# KiCad board Control v1.kicad_pcb (continued)
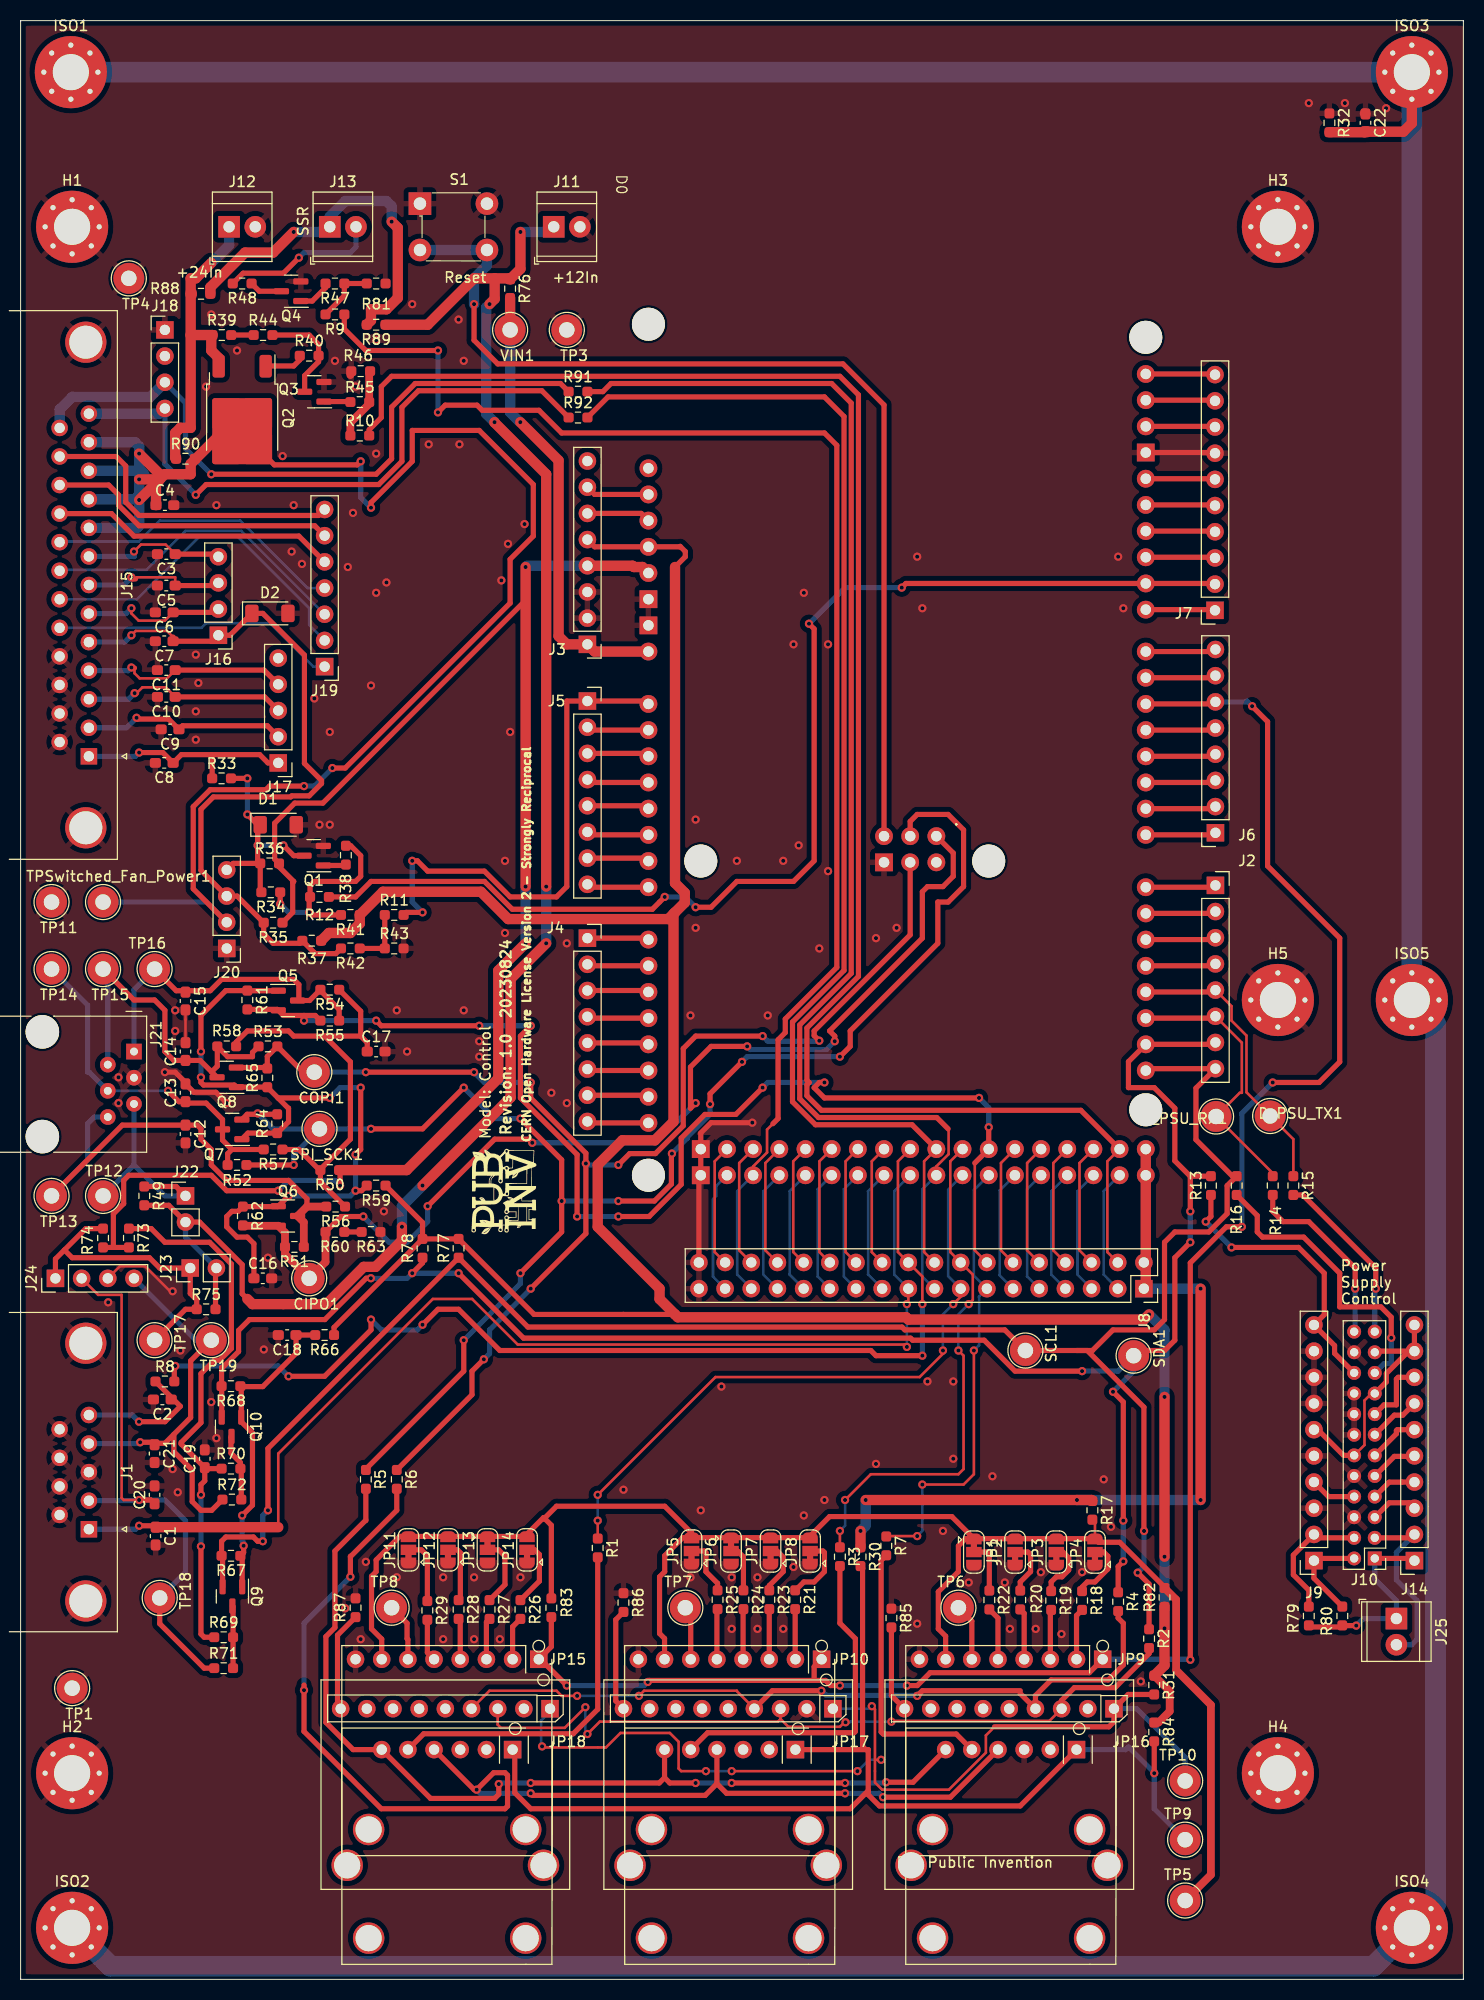
[diagram p0: board, top side]
## Routing (per net, layer and track width the routed paths; a pad name or vN(x,y) marks a point on that pad's centre or on a via; arc(x,y) is an arc through that point) (continued)
/PS_SDA: length 28.1
  Top w0.5: v1(117.5,71) 124,71 126.5,68.5 126.5,64.48 J9.10 127.5,61.48 127.5,60.73 J10.20 ; R13.1 115.5,74 v1(115,73.5)
  Bottom w0.5: v1(115,73.5) v1(117.5,71)
/RX: length 17
  Top w0.5: v1(131.5,67) 131.5,69 124.41,76.09 R15.2
  Bottom w0.5: J10.23 131.4,66.93
/SPI_ControllerLevel_Shifter/C_SCK: length 34.5
  Top w0.5: R52.1 20.09,80.09 20.5,80.5 ; 20.5,80.5 19.59,81.41 Q7.3 19.59,83.41 18,85 16.14,85 C13.1 15.36,85.14 v1(14.31,86.19) ; 20.5,80.5 R57.2
  Bottom w0.25: J21.4 v1(14.31,86.19)
  Bottom w0.5: J21.4 6.65,88 6.5,88 6.5,94.5 TP14.1
/SPI_ControllerLevel_Shifter/CIPO: length 49.9
  Top w0.5: TP13.1 9.86,82.86 C12.1 17.14,82.86 17.5,82.5 17.5,81.5 18.5,80.5 18.5,79 20,77.5 26,77.5 27.78,75.72 27.78,74.96
  Top w0.75: R56.2 27.78,74.96 Q6.3 27.48,73.44 R51.1
  Bottom w0.5: TP13.1 6.5,79.5 6.5,83 7.15,83.65 J21.6
/SPI_ControllerLevel_Shifter/ControllerVcc: length 20.8
  Top w0.5: R49.1 15.09,76.91 J22.1
  Bottom w0.5: J22.1 14,76 11,79 ; 11,79 TP12.1 ; 11,79 J21.5
/SPI_ControllerLevel_Shifter/COPI: length 35
  Top w0.5: R53.1 22.5,89.91 22.5,89.5 20.09,89.5 R58.2 19.09,88.59 18.53,88.03 ; 18.53,88.03 17.42,89.14 C14.1 14.86,89.14 14,90 14,94 13,95 11,95 TP15.1 ; 18.53,88.03 Q8.3
  Bottom w0.5: J21.2 8.46,97.54 TP15.1
/SPI_ControllerLevel_Shifter/nCS: length 32.4
  Top w0.5: R55.1 30.91,94.09 29.09,95.91 R54.2 28.04,94.95 Q5.3 27,95.07 27,96.5 26.5,97 19.5,97 18.4,95.9 15.1,95.9 TP16.1
  Bottom w0.5: TP16.1 11,96 J21.1
/SSR Interface/Heater: length 5.9
  Top w0.5: R9.2 31.41,163.32 R47.1 R81.1
/SSR Interface/Heater_SSR_High: length 36.4
  Top w1: R89.2 34,160.91 34,162 35.5,162 36.6,163.1 36.6,169.9 v1(36,170.5) ; v1(26.5,169.5) 24.5,167.5 21.77,167.5 18.41,164.14 R88.2
  Bottom w1: v1(36,170.5) 36,172 35.5,172.5 31.5,172.5 30,171 J13.1 29.5,169.5 v1(26.5,169.5)
/SSR Interface/Heater_SSR_Low: length 15.4
  Top w0.5: v1(27,167) 25.5,165.5 21.59,165.5 R48.2
  Bottom w0.5: v1(27,167) 27.5,167.5 32,167.5 32.54,168.04 J13.2
/Thermocouple Amplifier I2C breakout board - MCP9600/SCL: length 74.1
  Top w0.25: 73.74,25.26 74.5,24.5 79.5,24.5 80,25 80.05,24.95 v1(80.05,24.94) ; 73.74,25.26 JP20.3 ; 73.74,25.26 73.48,25 56.2,25 v1(55,23.8) ; v1(54.8,26.4) 52.8,24.4 46.6,24.4 46.3,24.71 JP21.3 ; JP19.3 99.83,25.07 84.57,25.07 v1(84.5,25)
  Top w0.5: JP19.3 101.01,27.06 102.25,28.3 106.2,28.3 109.5,31.6 R2.2
  Bottom w0.25: v1(54.8,26.4) 54.8,24 v1(55,23.8) ; v1(84.5,25) 80.5,25 80.44,24.94 v1(80.05,24.94)
/Thermocouple Amplifier I2C breakout board - MCP9600/SDA: length 74.8
  Top w0.25: JP20.4 69.5,27.96 69.5,28 60.5,28 v1(60,27.5) ; v1(54,27.5) 52.5,27.5 52,28 45.5,28 JP21.4
  Top w0.5: 97,27.73 JP19.4 98.47,27.53 100,29.05 105.55,29.05 107,30.5 107,34.55 106.5,35.05 R4.2 ; v1(77.7,28) 72.94,28 JP20.4 ; v1(87,27.5) 87.5,28 97,28
  Bottom w0.25: v1(54,27.5) v1(60,27.5)
  Bottom w0.5: v1(77.7,28) 78.14,27.56 86.94,27.56 v1(87,27.5)
/Thermocouple Amplifier SPI Interface breakout board - MAX31855 /DO: length 120.3
  Top w0.5: 27.5,28.55 27.5,24.05 35,16.55 47,16.55 47.25,16.8 47.25,19.8 47,20.05 45.9,20.05 v1(44.25,18.4) 44.01,18.4 JP18.4 ; v1(80,18.05) 68.5,18.05 67.56,18.99 ; v1(83.69,17.68) 90.23,17.68 JP16.4 ; v1(32,39.05) 32,41.05 ; 67.56,18.99 66.43,17.85 49.7,17.85 v1(49.5,18.05) ; 67.56,18.99 JP17.4 ; R6.2 36.5,45.5 32,41
  Bottom w0.5: v1(32,39.05) 27.5,34.55 v1(27.5,28.05) ; v1(44.25,18.4) 44.6,18.05 v1(49.5,18.05) ; v1(83.69,17.68) 83.31,18.05 v1(80,18.05)
/Thermocouple Amplifier SPI Interface breakout board - MAX31855 /nCS_1: length 26.9
  Top w0.5: R7.2 83.5,40.64 83.5,24 83.7,23.8 90.79,23.8 JP16.5
/Thermocouple Amplifier SPI Interface breakout board - MAX31855 /nCS_2: length 33.4
  Top w0.5: JP17.5 66.66,23.93 80.88,23.93 81,24.05 81,33.05 79.5,34.55 R3.2
/Thermocouple Amplifier SPI Interface breakout board - MAX31855 /nCS_3: length 34.8
  Top w0.5: R1.2 56,26.2 53.62,23.82 39.12,23.82 JP18.5
/Thermocouple Amplifier SPI Interface breakout board - MAX31855 /SCK: length 93.2
  Top w0.5: v1(46.4,18.95) 46.4,17.95 46,17.55 39.78,17.55 JP18.6 32.26,22.29 29.62,24.93 29.62,33.25 30.5,34.13 30.5,41.55 33.5,44.55 ; v1(65.5,19.05) 63,19.05 62.48,19.56 ; 62.48,19.56 61.97,19.05 v1(49.5,19.05) ; 62.48,19.56 JP17.6 ; v1(83.98,19.12) 86.6,19.12 JP16.6 ; v1(80,19.05) v1(69,19.05) ; 33.5,44.5 R5.2
  Bottom w0.5: v1(46.4,18.95) 46.5,19.05 v1(49.5,19.05) ; v1(69,19.05) v1(65.5,19.05) ; v1(83.98,19.12) 83.91,19.05 v1(80,19.05)
/TX: length 18.1
  Top w0.5: v1(129.5,67) 129.5,69 125,73.5 122.5,73.5 121.5,74.5 R14.1
  Bottom w0.5: J10.24 129.5,62.93 v1(129.5,67)
/VCI: length 6.8
  Top w0.5: J14.8 133.67,58.4 133.5,58.23 133.5,55.73 132.3,55.73 J10.15
/VO+: length 9.3
  Top w0.5: J10.2 125.71,40.83 ; J9.1 125.5,38.91 R80.2
/VO-: length 12
  Top w0.5: J10.4 125.83,42.83 ; J9.2 123.5,41.16 123.5,39.25 125,37.75 R79.2
/VS+: length 19.4
  Top w0.5: J14.1 135.04,40.83 J10.1 ; 128.5,34.32 v1(129.6,34.32) ; 125,34.19 128.5,34.19
  Bottom w0.5: J10.1 131.4,38.83 133.5,36.73 J25.1 130.28,35 v1(129.6,34.32)
/VS-: length 17.9
  Top w0.5: J14.2 134.92,42.83 J10.3
  Bottom w0.5: J14.2 133.5,41.41 133.5,38.75 135.5,36.75 135.5,32.98 134.98,32.46 J25.2
/VSET: length 4.5
  Top w0.5: J9.4 126.91,46.83 J10.8
AREF: length 6.7
  Top w0.5: A1.AREF 115.84,150.64 J7.8
BLOWER_ENABLE: length 167.3
  Top w0.25: J8.4 105.45,70.55 105.45,79.35 A1.D22
  Top w0.5: A1.D22 102.88,84.3 77.71,84.3 76.3,85.71 76.3,86.79 76.51,87 76.3,87.21 76.3,92.29 81.3,97.29 81.3,153.7 79.5,155.5 36,155.5 35,154.5 35,151.5 33.83,150.32 R10.2
BLOWER_TACH: length 50.3
  Top w0.5: v1(39,103.5) 37.41,103.5 R11.2 ; A1.A0 60.64,124 J5.1 53,124 53,106 52,105 47.5,105 45,107.5 39.5,107.5 38.5,108.5 v1(38,108.5)
  Bottom w0.5: v1(39,103.5) 38,104.5 v1(38,108.5)
CANR: length 6
  Top w0.5: J4.7 60.78,85.76 A1.CANR
CANT: length 6
  Top w0.5: A1.CANT 55.14,83.08 J4.8
CIPO: length 105.9
  Top w0.5: A1.MISO 90.5,109.25 90.5,107 89.5,106 88,106 87.5,105.5 87.5,101 78.5,92 79,91.5 v1(79,91) ; R60.2 31.09,74 v1(33.25,74) ; v1(70.5,90.5) 67,90.5 65,88.5 65,84.5 v1(65.5,85) ; v1(39.5,75) 46,81.5 49.3,81.5 v1(49.65,81.15)
  Top w0.75: R60.2 29.59,69.59 CIPO1.1 25.66,70.34 R51.2 25.66,72.44 Q6.2 21.6,73.1 R62.2
  Bottom w0.5: v1(49.65,81.15) 61.65,81.15 v1(65.5,85) ; v1(39.5,75) 39.5,73.5 37.5,71.5 35.75,71.5 v1(33.25,74) ; v1(70.5,90.5) 70.8,90.2 78.2,90.2 v1(79,91)
COPI: length 132.9
  Top w0.5: v1(44.95,60.15) 43.8,59 43.8,56.71 R6.1 ; v1(49.5,67) 54.85,72.35 v1(54.85,79.14) 54.85,80.14 49.5,85.49 v1(49.5,87) ; v1(58,79) 59.1,80.1 61.6,80.1 64.3,82.8 64.3,90.29 65.51,91.5 v1(72,91.5) ; COPI1.1 27.41,88 R53.2 23.94,89.53 R65.2 23.85,88.45 Q8.2 ; v1(44,88) v1(33.5,88) ; 86.32,108.35 86.32,101.32 77,92 77,91.55 v1(77.5,91.05)
  Bottom w0.5: v1(49.5,87) 45,87 v1(44,88) ; v1(44.95,60.15) 45.5,60.7 45.5,63 v1(49.5,67) ; v1(77.5,91.05) 77.45,91 72.5,91 v1(72,91.5) ; v1(58,79) 54.99,79 v1(54.85,79.14) ; v1(33.5,88) COPI1.1
D0: length 6.8
  Top w0.5: A1.D0 115.74,111.02 J6.1
D1: length 6.8
  Top w0.5: J6.2 115.74,113.56 A1.D1
D23: length 12.2
  Bottom w0.25: J8.3 105.09,68.37 105.09,76.46 A1.D23
D25: length 12.2
  Bottom w0.25: A1.D25 102.56,76.46 102.56,68.37 J8.5
D27: length 12.2
  Bottom w0.25: A1.D27 100.01,76.46 100.01,68.37 J8.7
D29: length 12
  Bottom w0.25: J8.9 97.66,68.18 97.66,76.65 A1.D29
D31: length 12.2
  Bottom w0.25: A1.D31 95,76.52 95,68.3 J8.11
D32: length 118.5
  Top w0.25: 92.59,79.19 92.59,70.71 J8.14
  Top w0.5: v1(49.5,92.5) 48.5,91.5 48.5,85.5 54,80 v1(54,74) ; 27.5,93.5 28.59,93.5 R55.2 ; 27.5,93.5 25.5,93.5 Q5.2 24.91,94.09 R61.2 ; 27.5,93.5 v1(27.5,93) ; v1(93,85.5) 78,85.5 77,86.5 77.5,87 v1(78,87) ; 92.59,79.19 A1.D32 v1(93.94,82.66) ; v1(34.5,93) 35,92.5 v1(44.5,92.5) ; v1(72,86.5) 69.4,83.9 66.4,83.9 64.1,81.6 64.1,77.11 60.99,74 v1(58,74)
  Bottom w0.5: v1(49.5,92.5) v1(44.5,92.5) ; v1(34.5,93) v1(27.5,93) ; v1(93.94,82.66) 93.94,84.56 v1(93,85.5) ; v1(72,86.5) 72.5,87 v1(78,87) ; v1(58,74) v1(54,74)
D37: length 128.9
  Top w0.25: A1.D37 88.86,78.86 90.05,80.05 90.05,82.45 90,82.5
  Top w0.5: R91.2 56.5,154.01 57.29,154.8 78.7,154.8 80.6,152.9 80.6,97.58 75.6,92.58 75.6,85.42 77.42,83.6 88.9,83.6 90,82.5
  Bottom w0.25: J8.17 87.5,68.18 87.5,76.64 A1.D37
D38: length 101.9
  Top w0.25: A1.D38 85.13,79.35 85.13,70.55 J8.20 87.5,68.18 v1(87.5,65.5)
  Top w0.5: v1(34,64) 34,63 29.5,58.5 v1(26,58.5) ; v1(15,59.5) 14.91,59.41 R8.2 ; v1(87.5,60.5) 83,60.5 82.5,61 46.5,61 42.5,65 40.5,65 v1(39,63.5)
  Bottom w0.5: v1(15,59.5) 25,59.5 v1(26,58.5) ; v1(39,63.5) 38.5,63 35,63 v1(34,64) ; v1(87.5,60.5) v1(87.5,65.5)
D39: length 112.8
  Top w0.25: v1(86,61.35) 85.78,61.57 48.24,61.57 43.81,66 40,66 25,51 25,43.86 ; v1(86,65.5) 86.14,65.64 J8.19
  Top w0.5: v1(11.5,44) 12.96,44 C1.1
  Top w1: C1.1 25,43.86
  Bottom w0.25: v1(86,65.5) v1(86,61.35) ; J8.19 84.78,68.37 84.78,76.46 A1.D39
  Bottom w0.5: J1.1 11.17,43.67 v1(11.5,44)
D40: length 11.9
  Top w0.25: J8.22 82.59,70.55 82.59,79.35 A1.D40
D41: length 12.2
  Bottom w0.25: J8.21 82.24,68.37 82.24,76.46 A1.D41
D42: length 11.9
  Top w0.25: A1.D42 80.05,79.35 80.05,70.55 J8.24
D43: length 12
  Bottom w0.25: J8.23 79.88,68.18 79.88,76.65 A1.D43
D44: length 11.9
  Top w0.25: J8.26 77.51,70.55 77.51,79.35 A1.D44
D45: length 12
  Bottom w0.25: A1.D45 77.34,76.65 77.34,68.18 J8.25
D46: length 11.9
  Top w0.25: A1.D46 74.97,79.35 74.97,70.55 J8.28
D47: length 12.2
  Bottom w0.25: A1.D47 74.61,76.46 74.61,68.37 J8.27
D48: length 12
  Top w0.25: J8.30 72.27,70.71 72.27,79.19 A1.D48
D49: length 12.2
  Bottom w0.25: A1.D49 72.08,76.46 72.08,68.37 J8.29
D50: length 12
  Top w0.25: J8.32 69.73,70.71 69.73,79.19 A1.D50
D51: length 144.3
  Top w0.25: 73,83 72.43,82.43 72.43,80.21 71.08,78.86 A1.D51
  Top w0.5: v1(40.5,152) 41.2,152.7 44.29,152.7 44.79,152.2 50.3,152.2 52.5,150 78,150 79.2,148.8 79.2,98.16 74.2,93.16 74.2,91.84 73.5,91.14 73.5,83.5 73,83 ; v1(40.5,158) 33.5,158 31.41,160.09 R9.1
  Bottom w0.25: A1.D51 69.53,76.46 69.53,68.37 J8.31
  Bottom w0.5: v1(40.5,152) v1(40.5,158)
D52: length 11.9
  Top w0.25: A1.D52 67.35,79.35 67.35,70.55 J8.34
D53: length 12
  Bottom w0.25: A1.D53 67.5,76.96 67.5,76 67.19,75.69 67.19,68.18 J8.33
DAC0: length 6
  Top w0.5: A1.DAC0 60.78,90.84 J4.5
DAC1: length 6
  Top w0.5: A1.DAC1 55.14,88.16 J4.6
LOOPBACK13: length 122.8
  Top w0.25: J8.18 87.67,70.55 87.67,79.35 A1.D36
  Top w0.5: R92.2 57,153.5 78,153.5 79.9,151.6 79.9,97.87 74.9,92.87 74.9,85.13 77.13,82.9 86.5,82.9 A1.D36
nFAN1_PWM: length 115.9
  Top w0.5: v1(62.5,105) 61.3,103.8 47.71,103.8 45.01,106.5 34,106.5 32.5,105 R12.2 ; v1(65.5,104) 67,104 69.5,106.5 75,106.5 77,108.5 77,131 v1(76.5,131.5) ; J7.2 115.84,135.4 A1.D9 85.9,135.4 v1(85.5,135)
  Bottom w0.5: v1(62.5,105) 64.5,105 v1(65.5,104) ; v1(85.5,135) 80,135 v1(76.5,131.5)
ONE_WIRE_TC: length 188.9
  Top w0.5: v1(121.5,87) 126,87 128,89 128,101 121,108 121,122 v1(119.5,123.5) ; 77,29 78.1,29 78.6,28.5 v1(79.5,28.5) ; 77,29 77,30.32 JP10.1 ; 77,29 61.01,29 v1(60.86,28.85) ; v1(53,28.5) 50.45,31.05 JP15.1 51.5,32.27 R83.1 ; v1(118.5,73) 117,73 113.5,69.5 v1(113.5,31) ; JP9.1 103.7,29.75 88.26,29.75 87.01,28.5 v1(86,28.5) ; J6.6 115.74,123.72 A1.D5
  Bottom w0.5: v1(53,28.5) 60.51,28.5 v1(60.86,28.85) ; v1(119.5,123.5) 119,124 118.92,123.92 J6.6 ; JP9.1 113.45,31.05 v1(113.5,31) ; v1(79.5,28.5) v1(86,28.5) ; v1(118.5,73) 118.5,84 v1(121.5,87)
SCL: length 187.2
  Top w0.5: Q9.2 19.6,40.99 ; v1(109.01,43.49) 109,43.51 109,55.5 103.5,61 102.5,61 ; A1.D21 109.36,88.34 J2.8 114.05,86.45 114.05,81.45 117.59,77.91 R16.1 117.07,76.99 117.07,74.28 115.3,72.5 112,72.5 111,71.5 111,64 110,63 106,63 104,61 102.5,61 ; v1(108.4,39.45) 109.5,38.35 R2.1 ; R67.2 19.5,42.5 19.91,42.91 22.59,42.91 23,42.5 v1(23.5,42.5) ; 102.5,61 SCL1.1 95.5,63 85.8,63 85.53,63.27 49.22,63.28 R77.1 24,51.5 v1(24,45.5)
  Bottom w0.5: v1(24,45.5) 23.5,45 v1(23.5,42.5) ; v1(108.4,39.45) 109.01,40.06 v1(109.01,43.49)
SCL1: length 6.7
  Top w0.25: 115.84,155.72 J7.10
  Top w0.5: A1.SCL1 115.84,155.72
SDA: length 176.6
  Top w0.5: R4.1 106.5,40.05 v1(107,40.55) ; 113.5,77.91 R13.2 ; 113.5,77.91 v1(113.5,74.5) ; 113.5,77.91 113.49,77.91 112,79.4 112,84.5 110,86.5 107.5,86.5 107.5,89.02 A1.D20 115.76,90.7 J2.7 ; v1(38,68.5) 39,69.5 R78.1 ; v1(33.99,68.01) 33.53,68.01 29.52,64 22.2,64 21.15,62.95 21.15,60.9 19.6,59.35 19.5,59.35 R68.2 ; v1(106,57) 107,56 v1(107,44.5) ; SDA1.1 108.5,61 111,61 112,62 112,70 v1(113.5,71.5) ; v1(103,59) 96.5,59 93.5,62 86.55,62 86.35,62.2 48.8,62.2 v1(42.5,68.5) ; Q10.2 19.51,57.53
  Bottom w0.5: v1(106,57) 108,59 SDA1.1 106.5,59 v1(103,59) ; v1(33.99,68.01) 34,68 37.5,68 v1(38,68.5) v1(42.5,68.5) ; v1(107,40.55) v1(107,44.5) ; v1(113.5,71.5) v1(113.5,74.5)
SDA1: length 6.7
  Top w0.5: A1.SDA1 115.84,153.18 J7.9
SPI_nRST: length 100
  Top w0.5: v1(44,162.5) 44,159 46.3,156.7 79.8,156.7 83.78,152.72 A1.RST2
  Bottom w1: S1.3 S1.4 45.25,166.25 44,165 v1(44,162.5)
SPI_SCK: length 156.3
  Top w0.5: 63.15,80.2 63.15,77.15 61.5,75.5 v1(58,75.5) ; v1(70,89) 66.9,85.9 v1(66.9,84.9) ; R5.1 33.5,49.5 43,59 v1(43,62) ; v1(43,86.5) 39,82.5 v1(34,82.5) ; v1(48.5,83.5) 52.5,79.5 v1(52.5,75.5) 52.5,72.5 v1(48.5,68.5) ; v1(79.5,89.5) 80.5,90.5 80.5,92 89,100.5 89,104.5 90,104.5 91.5,106 91.5,111.5 90,113 87,113 86.32,112.32 A1.SCK ; R52.2 v1(26.5,79) ; R64.2 21.98,83.91 Q7.2
  Bottom w0.5: v1(70,89) 70.5,89.5 v1(79.5,89.5) ; SPI_SCK1.1 24.5,82.5 v1(23,84) ; SPI_SCK1.1 v1(34,82.5) ; SPI_SCK1.1 26.5,80 v1(26.5,79) ; v1(58,75.5) v1(52.5,75.5) ; 63.15,80.2 63.3,80.2 64.7,81.6 64.7,81.7 66.9,83.9 v1(66.9,84.9) ; v1(43,62) 48.5,67.5 v1(48.5,68.5) ; v1(43,86.5) 46,83.5 v1(48.5,83.5)
  vias: v1(63.2,80.1)
TC_nCS1: length 44.3
  Top w0.25: v1(92.5,61) 92.5,49 91.5,48 v1(87.5,48) ; v1(87,43) 84.04,43 R7.1
  Bottom w0.25: v1(92.5,61) 93,61.5 93,66.24 J8.13 92.5,68.26 92.5,76.56 A1.D33 ; v1(87,43) 87.5,43.5 v1(87.5,48)
TC_nCS2: length 50.8
  Top w0.25: v1(91,61) 91.5,60.5 91.5,49.5 91,49 82.5,49 v1(80,46.5) ; v1(92,65.5) 92.4,65.9 92.4,68.37 J8.16 90.21,70.55 90.21,79.35 A1.D34 ; R3.1 v1(79.5,43.5)
  Bottom w0.25: v1(92,65.5) 91,64.5 v1(91,61) ; v1(79.5,43.5) 80,44 v1(80,46.5)
TC_nCS3: length 62.5
  Top w0.25: v1(90.5,65.5) 91.22,66.22 J8.15 ; v1(56,47) 67.42,58.43 87.24,58.43 89.5,60.69 v1(89.5,61) ; v1(56,44.5) R1.1
  Bottom w0.25: v1(90.5,65.5) 89.5,64.5 v1(89.5,61) ; J8.15 90,68.22 90,76.6 A1.D35 ; v1(56,47) v1(56,44.5)
Net-(A1-D4_CS1): length 6.8
  Top w0.5: A1.D4 115.74,121.18 J6.5
Net-(A1-D10_CS0): length 6.7
  Top w0.5: J7.3 115.84,137.94 A1.D10
Net-(A1-D14/TX3): length 6.8
  Top w0.5: A1.D14 115.76,105.94 J2.1
Net-(A1-D15/RX3): length 6.8
  Top w0.5: J2.2 115.76,103.4 A1.D15
Net-(A1-D16/TX2): length 6.8
  Top w0.5: J2.3 115.76,100.86 A1.D16
Net-(A1-D17/RX2): length 6.8
  Top w0.5: J2.4 115.76,98.32 A1.D17
Net-(A1-IOREF): length 6.2
  Top w0.5: J3.7 55.7,144.04 A1.IORF
Net-(A1-RESET): length 6.2
  Top w0.5: A1.RST1 60.22,142.2 J3.6
Net-(C2-Pad1): length 13.2
  Top w0.5: R8.1 15.5,55.59 14.01,54.09 v1(11.49,54.09)
  Bottom w0.5: J1.5 10.84,54.75 v1(11.49,54.09)
Net-(C22-Pad2): length 458.4
  Top w1: ISO3.1 135,180.05 134.17,179.22 C22.2 130.45,179.18 R32.2
  Bottom w2: ISO1.1 ISO3.1 ISO5.1 137.3,92.7 137.3,7.3 ISO4.1 131.28,1.28 8.72,1.28 ISO2.1
Net-(D1-K): length 23.7
  Top w0.5: v1(25.5,110) 26.5,109 Q1.3 ; R34.2 23.25,105.56 R36.1 ; J20.4 20.63,108.25 R36.1 ; R36.1 23,108.5 23,112 v1(22,113) ; R33.2 v1(22,116.5) ; D1.1 23,111.75 v1(23,110)
  Bottom w0.5: v1(22,116.5) v1(22,113) ; v1(23,110) v1(25.5,110)
Net-(J3-Pin_1): length 44.1
  Top w1: v1(48.49,151.05) 52.2,147.34 52.2,130.3 53,129.5 J3.1 55.7,128.8 A1.VIN ; R76.2 VIN1.1
  Bottom w1: v1(48.49,151.05) 48.45,151.05 47.5,152 VIN1.1
Net-(J4-Pin_1): length 6
  Top w0.5: J4.1 60.78,101 A1.A8
Net-(J4-Pin_2): length 6
  Top w0.5: J4.2 55.14,98.32 A1.A9
Net-(J4-Pin_3): length 6
  Top w0.5: J4.3 60.78,95.92 A1.A10
Net-(J4-Pin_4): length 6
  Top w0.5: A1.A11 55.14,93.24 J4.4
Net-(J5-Pin_2): length 6
  Top w0.5: J5.2 55.28,121.18 A1.A1
Net-(J5-Pin_3): length 6
  Top w0.5: J5.3 60.64,118.92 A1.A2
Net-(J5-Pin_4): length 6
  Top w0.5: A1.A3 55.28,116.1 J5.4
Net-(J5-Pin_5): length 6
  Top w0.5: A1.A4 60.64,113.84 J5.5
Net-(J5-Pin_6): length 6
  Top w0.5: J5.6 55.28,111.02 A1.A5
Net-(J5-Pin_7): length 6
  Top w0.5: J5.7 60.64,108.76 A1.A6
Net-(J5-Pin_8): length 6
  Top w0.5: J5.8 55.28,105.94 A1.A7
Net-(J6-Pin_3): length 6.8
  Top w0.5: J6.3 115.74,116.1 A1.D2
Net-(J6-Pin_4): length 6.8
  Top w0.5: A1.D3 115.74,118.64 J6.4
Net-(J6-Pin_7): length 6.8
  Top w0.5: J6.7 115.74,126.26 A1.D6
Net-(J6-Pin_8): length 6.8
  Top w0.5: A1.D7 115.74,128.8 J6.8
Net-(J7-Pin_1): length 6.7
  Top w0.5: A1.D8 115.84,132.86 J7.1
Net-(J7-Pin_4): length 6.7
  Top w0.5: J7.4 115.84,140.48 A1.D11
Net-(J7-Pin_5): length 6.7
  Top w0.5: J7.5 115.84,143.02 A1.D12
Net-(J7-Pin_6): length 6.7
  Top w0.5: J7.6 115.84,145.56 A1.D13
Net-(J8-Pin_6): length 12
  Top w0.25: A1.D24 102.75,79.19 102.75,70.71 J8.6
Net-(J8-Pin_8): length 12
  Top w0.25: A1.D26 100.21,79.19 100.21,70.71 J8.8
Net-(J8-Pin_10): length 12
  Top w0.25: J8.10 97.67,70.71 97.67,79.19 A1.D28
Net-(J8-Pin_12): length 12
  Top w0.25: J8.12 95.13,70.71 95.13,79.19 A1.D30
Net-(J15-P18): length 27.6
  Bottom w0.25: J15.18 17.56,131.1 18.02,131.56 24.19,131.56 28.4,127.34 J19.1
Net-(J15-P19): length 33.4
  Bottom w0.25: J19.2 28,131.38 28,133 21,140 17.4,140 11.27,133.87 J15.19
Net-(J15-P20): length 30.7
  Bottom w0.25: J19.3 21.42,140.5 16,140.5 12.23,136.72 3.87,136.72 J15.20
Net-(J15-P21): length 29.3
  Bottom w0.25: J15.21 3.85,139.47 11.48,139.47 13.5,141.5 21.3,141.5 27.84,134.96 J19.4
Net-(J15-P22): length 27.7
  Top w0.5: J15.22 8.82,142.18 11,140 27,140 J19.5
Net-(J15-P23): length 28.3
  Top w0.5: J15.23 8.55,144.95 9.5,144 9.5,143 11.5,141 28.54,141 J19.6
Net-(J15-P24): length 30.4
  Top w0.5: J19.7 28.92,142 11.49,142 10.2,143.29 10.2,146.8 9.28,147.72 J15.24
Net-(JP1-C): length 5.1
  Top w0.5: JP1.2 93.75,41.45 94,41.2 R22.1
Net-(JP2-C): length 5.5
  Top w0.5: R20.1 97,38.55 98,39.55 98,41.2 97.75,41.45 JP2.2
Net-(JP3-C): length 5.7
  Top w0.5: R19.1 100,38.55 100.5,39.05 101.05,39.05 101.7,39.7 101.7,40.89 101.14,41.45 JP3.2
Net-(JP4-C): length 6.3
  Top w0.5: JP4.2 105.1,41.45 105.5,41.05 105.5,39.81 104.24,38.55 103.5,38.55 103,38.05 R18.1
Net-(JP5-C): length 5.6
  Top w0.5: R25.1 67.63,38.42 66.5,39.55 66.5,41.4 66.35,41.55 JP5.2
Net-(JP6-C): length 4.7
  Top w0.5: R24.1 70.14,40.98 69.57,41.55 JP6.2
Net-(JP7-C): length 5.3
  Top w0.5: JP7.2 73.41,41.55 74,40.96 74,39.55 72.65,38.2 R23.1
Net-(JP8-C): length 6.9
  Top w0.5: JP8.2 77.86,41.55 78,41.41 78,39.55 77,38.55 76,38.55 75.19,37.74 R21.1
Net-(JP9-Pin_2): length 5
  Top w0.5: R18.2 102.46,35.3 JP9.2
Net-(JP9-Pin_3): length 4.8
  Top w0.5: JP9.3 99.92,35.76 R19.2
Net-(JP9-Pin_4): length 5
  Top w0.5: JP9.4 97.38,35.51 R20.2
Net-(JP9-Pin_5): length 5.2
  Top w0.5: JP9.5 94.84,35.05 R22.2
Net-(JP9-Pin_6): length 5.5
  Top w0.5: TP6.1 92.3,34.75 JP9.6
Net-(JP10-Pad2): length 4.9
  Top w0.5: JP10.2 75.16,31.07 R21.2
Net-(JP10-Pad3): length 4.9
  Top w0.5: JP10.3 72.64,35.91 R23.2
Net-(JP10-Pad4): length 4.9
  Top w0.5: R24.2 70.11,35.88 JP10.4
Net-(JP10-Pad5): length 4.9
  Top w0.5: R25.2 67.56,35.85 JP10.5
Net-(JP10-Pad6): length 5.2
  Top w0.5: JP10.6 65.03,35.53 TP7.1
Net-(JP11-C): length 6.5
  Top w0.5: JP11.2 38.89,41.66 39.47,41.08 R29.1
Net-(JP12-C): length 6
  Top w0.5: JP12.2 42.39,41.66 42.67,41.38 42.67,36.96 R28.1
Net-(JP13-C): length 6.8
  Top w0.5: R27.1 47,38.29 47,41.05 46.39,41.66 JP13.2
Net-(JP14-C): length 6.6
  Top w0.5: R26.1 50.34,38.63 50.34,41.21 49.89,41.66 JP14.2
Net-(JP15-Pad2): length 4.2
  Top w0.5: JP15.2 47.74,34.2 R26.2
Net-(JP15-Pad3): length 4
  Top w0.5: R27.2 45.2,34.66 JP15.3
Net-(JP15-Pad4): length 4
  Top w0.5: JP15.4 42.66,34.8 R28.2
Net-(JP15-Pad5): length 4.1
  Top w0.5: R29.2 39.47,31.7 JP15.5
Net-(JP15-Pad6): length 5.7
  Top w0.5: JP15.6 37.58,32.97 37.5,33.05 37.5,34.55 TP8.1
Net-(JP19-Pad9): length 8.4
  Top w0.5: R85.2 84.5,27.53 JP19.9
Net-(JP20-Pad9): length 10
  Top w0.5: JP20.9 57.75,27.01 57.75,34.89 R86.2
Net-(JP21-Pad9): length 9.7
  Top w0.5: R87.2 30.75,33.39 30.75,26.56 JP21.9
Net-(Q1-G): length 2.2
  Top w0.5: Q1.1 31.47,108.05 R38.1
Net-(Q2-G): length 4
  Top w0.5: Q2.1 23.81,156.5 26.5,156.5 27.09,157.09 R40.1
Net-(Q3-D): length 10
  Top w0.5: Q3.3 27.56,155.56 28.91,156.91 R40.2 28.91,158.59 28,159.5 R44.2
Net-(Q3-G): length 2.6
  Top w0.5: R45.1 31.95,153.05 Q3.1
Net-(Q4-D): length 3.2
  Top w0.5: Q4.3 23.16,163.75 R48.1
Net-(Q4-G): length 3.3
  Top w0.5: Q4.1 28.3,162.8 29.59,164.09 R47.2
Net-(Q9-D): length 6.1
  Top w0.5: Q9.3 20.61,36.15 R69.2 R71.2
Net-(Q10-D): length 6.6
  Top w0.5: Q10.3 20.41,52.62 20.41,51.04 21.33,50.13 R70.2 21.41,49.46 R72.2
Net-(R39-Pad2): length 2.2
  Top w0.5: R39.2 R44.1
Net-(R60-Pad1): length 1.7
  Top w0.5: R60.1 R63.2

## Copper pours and planes (outline as drawn; the poured copper is in the pictures)
GND on Top: 1,189.5 140,189.5 140,0.5 1,0.5
GND on Top, Bottom: 0.5,189.5 139.5,189.5 139.5,0.5 0.5,0.5

## Text on the board
F.Silkscreen: CERN Open Hardware License Version 2 - Strongly Reciprocal | +24In | Reset | +12In | Power / Supply / Control | By: Public Invention | SSR | Model: Control | Revision: 1.0  20230824
